# KiCad board RP2040-Breadstick Panel.kicad_pcb (continued)
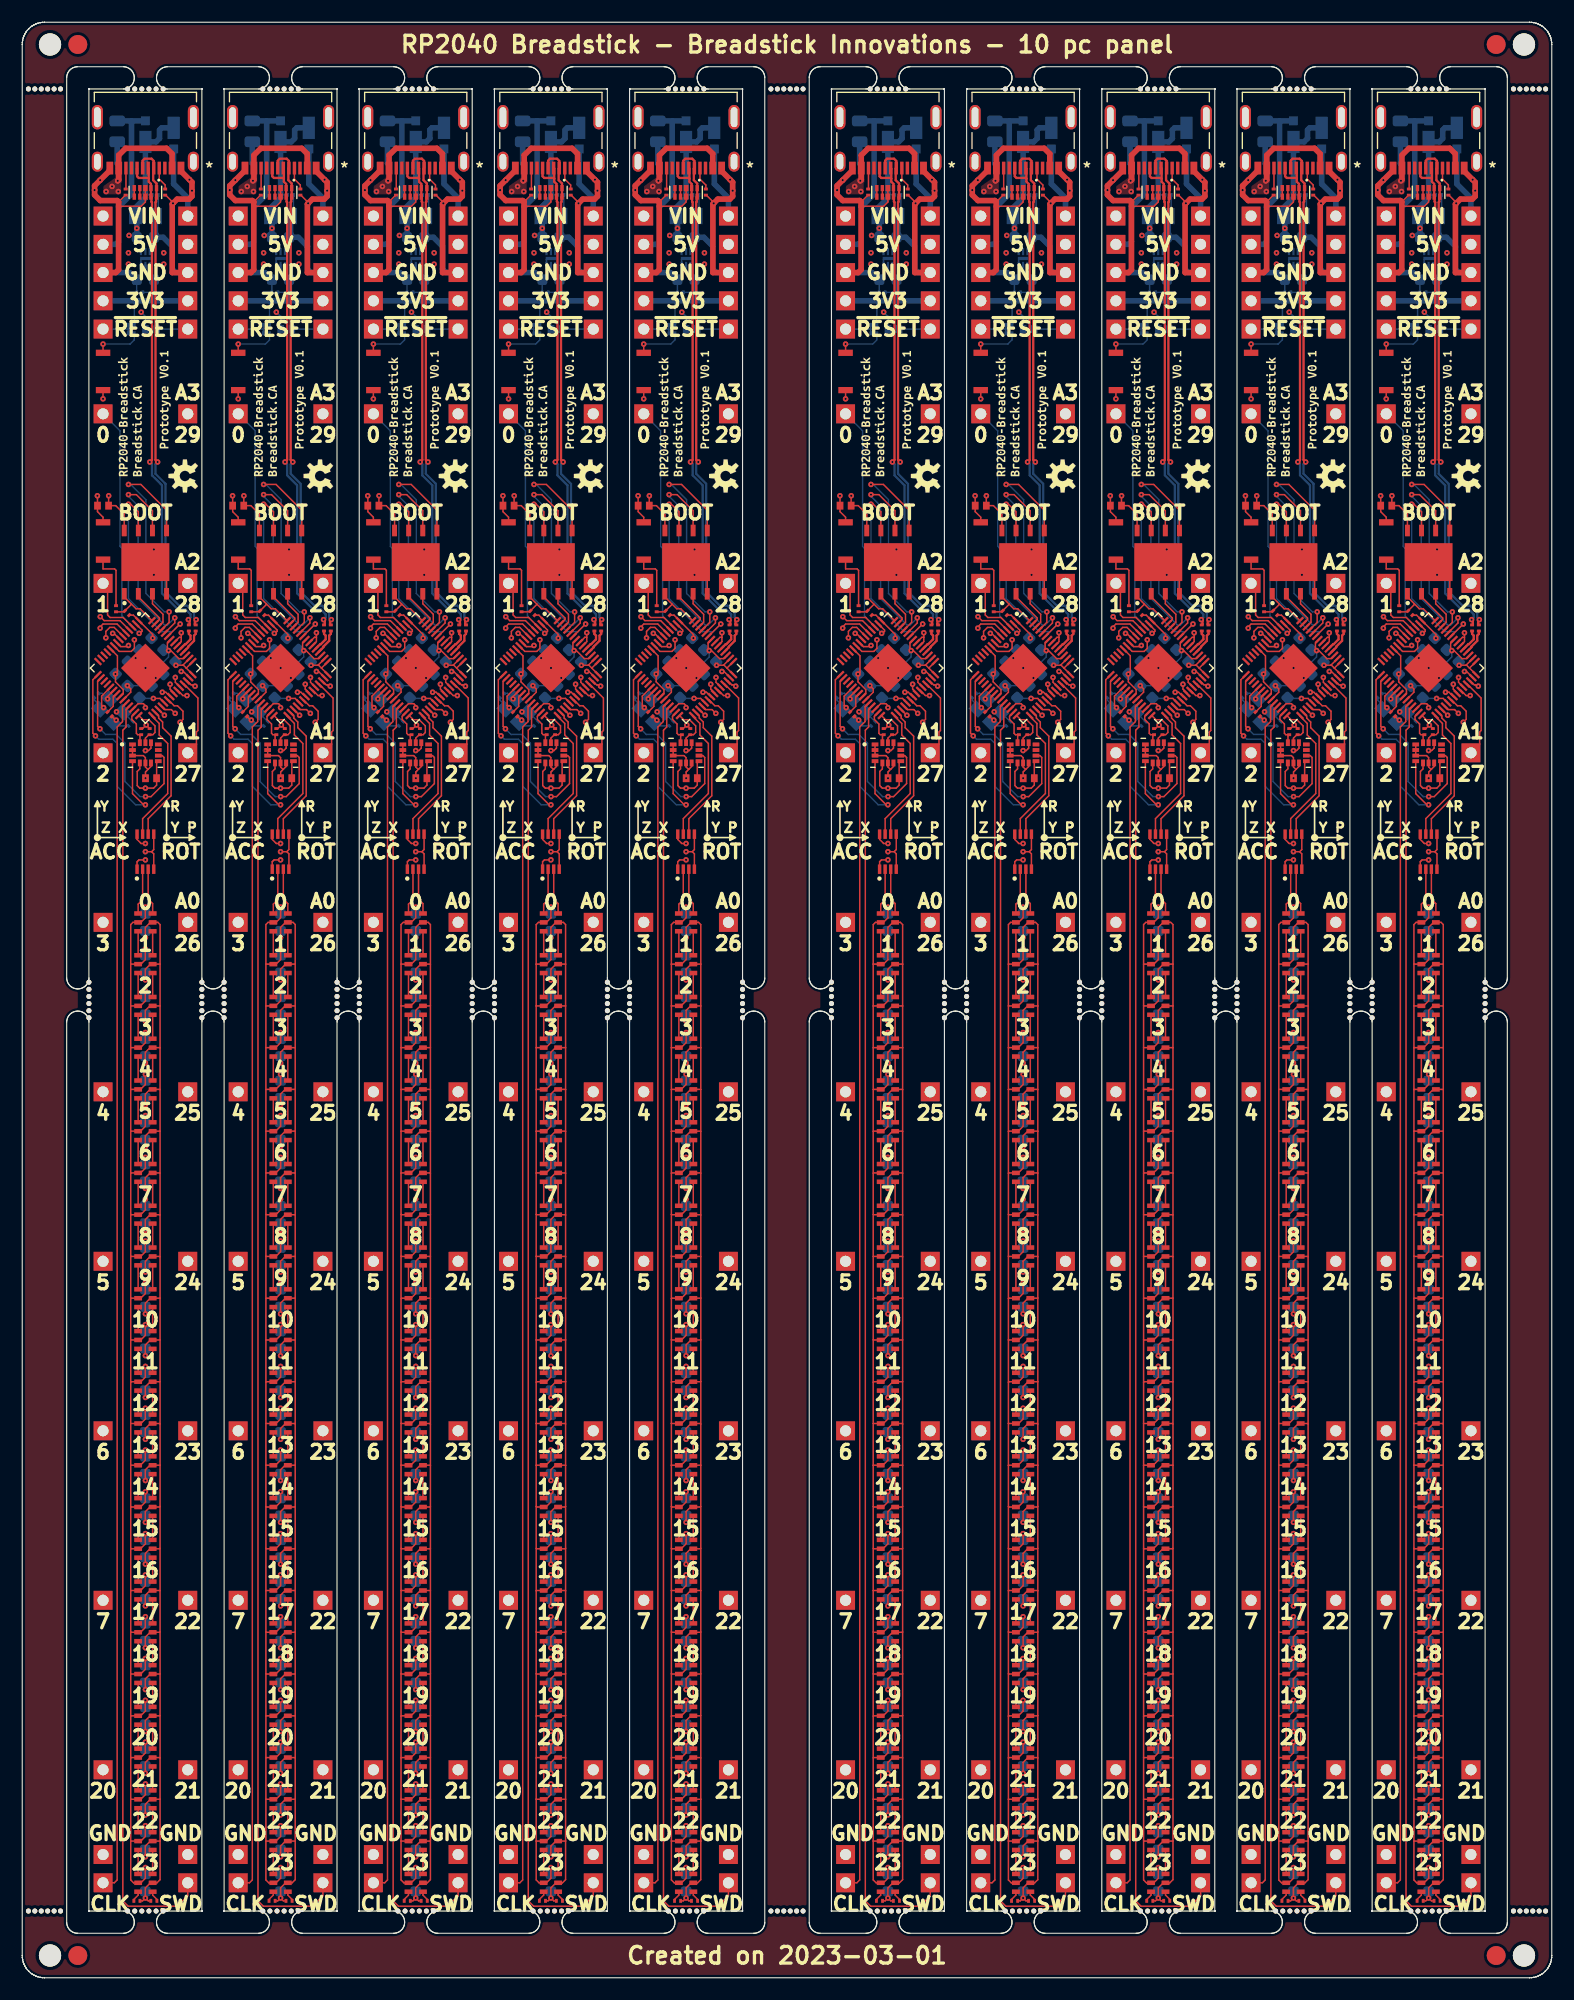
[diagram p0: board, top side]
## Library data of the parts (continued)
SW201#7 = -: Digikey: 2508-R-667995DKR-ND; Field6: 0.022in/0.559mm; Field7: 0in/0mm; Field8: 0.132in/3.353mm; Field9: Copyright 2021 Accelerated Designs. All rights reserved.; Field10: 0.051in/1.295mm; Field11: *
SW201#8 = -: Digikey: 2508-R-667995DKR-ND; Field6: 0in/0mm; Field7: 0.132in/3.353mm; Field8: 0.051in/1.295mm; Field9: 0.022in/0.559mm; Field10: Copyright 2021 Accelerated Designs. All rights reserved.; Field11: *
SW201#9 = -: Digikey: 2508-R-667995DKR-ND; Field6: Copyright 2021 Accelerated Designs. All rights reserved.; Field7: 0in/0mm; Field8: 0.132in/3.353mm; Field9: 0.022in/0.559mm; Field10: 0.051in/1.295mm; Field11: *
SW201#10 = -: Digikey: 2508-R-667995DKR-ND; Field6: 0.022in/0.559mm; Field7: 0.051in/1.295mm; Field8: 0in/0mm; Field9: Copyright 2021 Accelerated Designs. All rights reserved.; Field10: 0.132in/3.353mm; Field11: *
SW202 SW202#2-SW202#10 = -: Digikey: 2508-R-667995DKR-ND
U201 U201#2-U201#10 = -: Digikey: 2648-SC0914(7)TR-ND; JLCPCB P/N: C2040; MANUFACTURER: Raspberry Pi; MAXIMUM_PACKAGE_HEIGHT: 0.9 mm; PARTREV: 1.6.1; STANDARD: IPC 7351B
U202 U202#2-U202#10 = -: Digikey: 296-35765-6-ND; JLCPCB P/N: C138714; MANUFACTURER: Texas Instruments; STANDARD: Manufacturer Recommendation
U203 U203#2-U203#10 = -: Digikey: W25Q128JVPIQDKR-ND
U401 U401#2-U401#10 = -: Digikey: 497-16696-6-ND; MANUFACTURER: STMicroelectronics; MAXIMUM_PACKAGE_HEIGHT: 0.86 mm; PARTREV: Rev 7; STANDARD: IPC 7351B
U501 U501#2-U501#10 = -: A_MAX: 0.6; B_MAX: 0.23; B_MIN: 0.13; B_NOM: 0.18; D2_NOM: 0.94; D_MAX: 1.25; D_MIN: 1.15; D_NOM: 1.2; Digikey: 576-4766-6-ND; E2_NOM: 0.3; ENOM: 0.4; E_MAX: 1.25; E_MIN: 1.15; E_NOM: 1.2; L_MAX: 0.295; L_MIN: 0.195; L_NOM: 0.25; MANUFACTURER: MICROCHIP; PIN_COUNT: 6.0; SNAPEDA_PACKAGE_ID: 7814; STANDARD: IPC 7351B
Y201 Y201#2-Y201#10 = -: Digikey: XC2180DKR-ND

## Footprints (pads in the part's own frame, mm; a bottom-side part is the same pattern mirrored in y, then rotated)
74AXP2T45DCH
  rect 0.85x0.3 smd: 1(-1.575,0.75) 2(-1.575,0.25) 3(-1.575,-0.25) 4(-1.575,-0.75) 5(1.575,-0.75) 6(1.575,-0.25) 7(1.575,0.25) 8(1.575,0.75)
C_0603_1608Metric
  rrect 0.9x0.95 smd: 1(-0.775,0) 2(0.775,0)
CAPC2012X140N
  rect 1.15x1.45 smd: 1(-0.9,0) 2(0.9,0)
DIO_V2PM15HM3_H
  rect 2x1.1 smd: 1(-0.95,0)
  rect 0.8x0.8 smd: 2(0.95,0)
Fiducial
  round 1.7 smd: (0,0)
Fuse_0805_2012Metric
  rrect 0.975x1.4 smd: 1(-0.938,0) 2(0.938,0)
NPTH
  round 0.45 hole 0.45 unplated: (0,0)
NPTH#2
  round 2 hole 2 unplated: (0,0)
Perfect_0201_Cap
  rect 0.35x0.25 smd: 1(0,0.275) 2(0,-0.275)
Perfect_0201_Resistor
  rect 0.35x0.25 smd: 1(0,0.275) 2(0,-0.275)
Perfect_0402_Cap
  rect 0.7x0.6 smd: 1(0,-0.5) 2(0,0.5)
PinHeader_1x01_P2.54mm_Vertical
  rect 1.7x1.7 hole 1: 1(0,0)
PQFN50P300X250X86-14N
  rect 0.6x0.35 smd: 1(-1.16,0.75) 2(-1.16,0.25) 3(-1.16,-0.25) 4(-1.16,-0.75) 8(1.16,-0.75) 9(1.16,-0.25) 10(1.16,0.25) 11(1.16,0.75)
  rect 0.35x0.6 smd: 5(-0.5,-0.91) 6(0,-0.91) 7(0.5,-0.91) 12(0.5,0.91) 13(0,0.91) 14(-0.5,0.91)
QFN40P700X700X90-57N
  rrect 0.84x0.2 smd: 1(-3.435,2.6) 2(-3.435,2.2) 3(-3.435,1.8) 4(-3.435,1.4) 5(-3.435,1) 6(-3.435,0.6) 7(-3.435,0.2) 8(-3.435,-0.2) 9(-3.435,-0.6) 10(-3.435,-1) 11(-3.435,-1.4) 12(-3.435,-1.8) 13(-3.435,-2.2) 14(-3.435,-2.6) 29(3.435,-2.6) 30(3.435,-2.2) 31(3.435,-1.8) 32(3.435,-1.4) 33(3.435,-1) 34(3.435,-0.6) 35(3.435,-0.2) 36(3.435,0.2) 37(3.435,0.6) 38(3.435,1) 39(3.435,1.4) 40(3.435,1.8) 41(3.435,2.2) 42(3.435,2.6)
  rrect 0.2x0.84 smd: 15(-2.6,-3.435) 16(-2.2,-3.435) 17(-1.8,-3.435) 18(-1.4,-3.435) 19(-1,-3.435) 20(-0.6,-3.435) 21(-0.2,-3.435) 22(0.2,-3.435) 23(0.6,-3.435) 24(1,-3.435) 25(1.4,-3.435) 26(1.8,-3.435) 27(2.2,-3.435) 28(2.6,-3.435) 43(2.6,3.435) 44(2.2,3.435) 45(1.8,3.435) 46(1.4,3.435) 47(1,3.435) 48(0.6,3.435) 49(0.2,3.435) 50(-0.2,3.435) 51(-0.6,3.435) 52(-1,3.435) 53(-1.4,3.435) 54(-1.8,3.435) 55(-2.2,3.435) 56(-2.6,3.435)
  rect 3.1x3.1 smd: 57(0,0)
R-667995
  rect 0.559x1.295 smd: 1(-1.676,0) 2(1.676,0)
SK9822-2020
  rect 0.7x0.4 smd: 1(0,0) 2(0,-0.8) 3(0,-1.6) 4(1.3,-1.6) 5(1.3,-0.8) 6(1.3,0)
SON40P120X120X60-7N
  rrect 0.65x0.2 smd: 1(-0.625,0.4) 2(-0.625,0) 3(-0.625,-0.4) 4(0.625,-0.4) 5(0.625,0) 6(0.625,0.4)
  rect 0.3x0.94 smd: 7(0,0)
TI_TPD4E05U06DQAR
  rect 0.55x0.3 smd: 1(-0.385,1) 2(-0.385,0.5) 4(-0.385,-0.5) 5(-0.385,-1) 6(0.385,-1) 7(0.385,-0.5) 9(0.385,0.5) 10(0.385,1)
  rect 0.55x0.4 smd: 3(-0.385,0) 8(0.385,0)
USB-C-2171790001
  oval 1x2.2 hole 0.6x1.8: 13(-4.32,-1.272) 14(4.32,-1.272)
  oval 1x1.8 hole 0.6x1.4: 15(-4.32,2.728) 16(4.32,2.728)
  rect 0.61x1.143 smd: A1/B12(-3.2,3.303) A4/B9(-2.4,3.303) B1/A12(3.2,3.303) B4/A9(2.4,3.303)
  rect 0.305x1.143 smd: A5(-1.25,3.303) A6(-0.25,3.303) A7(0.25,3.303) A8(1.25,3.303) B5(1.75,3.303) B6(0.75,3.303) B7(-0.75,3.303) B8(-1.75,3.303)
W25Q128JVPIQ-TR
  rrect 1.04x0.44 smd: 1(-2.845,1.905) 2(-2.845,0.635) 3(-2.845,-0.635) 4(-2.845,-1.905) 5(2.845,-1.905) 6(2.845,-0.635) 7(2.845,0.635) 8(2.845,1.905)
  rect 3.4x4.3 smd: 9(0,0)
XTAL_ECS-120-10-36Q-ES-TR
  rect 1.2x1 smd: 1(-0.85,-0.65) 2(0.85,-0.65) 3(0.85,0.65) 4(-0.85,0.65)

## Nets
Board_0-/Power/5V4A: D502#6.2 F501#6.2 J503#9.1 J504#7.1
Board_1-/Power/5V4A: D502#2.2 F501#10.2 J503#5.1 J504#5.1
Board_2-/Power/5V4A: D502#10.2 F501#5.2 J503#6.1 J504#10.1
Board_3-/Power/5V4A: D502#8.2 F501.2 J503#3.1 J504#4.1
Board_4-/Power/5V4A: D502#5.2 F501#8.2 J503#10.1 J504#8.1
Board_5-/Power/5V4A: D502#7.2 F501#3.2 J503#2.1 J504#3.1
Board_6-/Power/5V4A: D502.2 F501#4.2 J503#7.1 J504#6.1
Board_7-/Power/5V4A: D502#9.2 F501#9.2 J503.1 J504#9.1
Board_8-/Power/5V4A: D502#4.2 F501#2.2 J503#4.1 J504#2.1
Board_9-/Power/5V4A: D502#3.2 F501#7.2 J503#8.1 J504.1
Board_0-3V3_LDO: C205.1 C206#5.1 C210#9.1 C211#9.1 C216#2.1 C401#2.1 C503#2.1 IC301#3.8 J507#5.1 J508#9.1 R205#3.1 R208#2.1 R209#9.2 R210.2 R502#2.2 U201.1 U201.10 U201.22 U201.33 U201.42 U201.43 U201.44 U201.48 U201.49 U203#7.8 U401#8.5 U401#8.8 U401#8.12 U501#3.1 U501#3.2
Board_0-+1V1: C202#9.1 C204#5.1 U201.23 U201.45 U201.50
Board_0-/Addressable RGB LEDs/CLK: IC301#3.2 LED301#3.4
Board_0-/Addressable RGB LEDs/DATA: IC301#3.3 LED301#3.3
Board_0-/RP2040/ADC0: J220#10.1 U201.38
Board_0-/RP2040/ADC1: J219.1 U201.39
Board_0-/RP2040/ADC2: J218#6.1 U201.40
Board_0-/RP2040/ADC3: J217#9.1 U201.41
Board_0-/RP2040/D0: J205#9.1 U201.2
Board_0-/RP2040/D1: J206#3.1 U201.3
Board_0-/RP2040/D2: J207#4.1 U201.4
Board_0-/RP2040/D3: J208#6.1 U201.5
Board_0-/RP2040/D4: J209#3.1 U201.6
Board_0-/RP2040/D5: J210#3.1 U201.7
Board_0-/RP2040/D6: J211.1 U201.8
Board_0-/RP2040/D7: J212#3.1 U201.9
Board_0-/RP2040/D20: J204.1 U201.31
Board_0-/RP2040/D21: J203#3.1 U201.32
Board_0-/RP2040/D22: J213#8.1 U201.34
Board_0-/RP2040/D23: J214#3.1 U201.35
Board_0-/RP2040/D24: J215#3.1 U201.36
Board_0-/RP2040/D25: J202#6.1 U201.37
Board_0-/RP2040/MCU_QSPI_CSN: R204#7.2 R205#3.2 U201.56 U203#7.1
Board_0-/RP2040/MCU_QSPI_SCLK: U201.52 U203#7.6
Board_0-/RP2040/MCU_QSPI_SD0: U201.53 U203#7.5
Board_0-/RP2040/MCU_QSPI_SD1: U201.55 U203#7.2
Board_0-/RP2040/MCU_QSPI_SD2: U201.54 U203#7.3
Board_0-/RP2040/MCU_QSPI_SD3: U201.51 U203#7.7
Board_0-/RP2040/MCU_USB_D+: R203#4.1 U201.47
Board_0-/RP2040/MCU_USB_D-: R202#6.1 U201.46
Board_0-/RP2040/USB_D+: J221#7.A6 J221#7.B6 R203#4.2 U202#2.2 U202#2.9
Board_0-/RP2040/USB_D-: J221#7.A7 J221#7.B7 R202#6.2 U202#2.1 U202#2.10
Board_0-/RP2040/~{RESET}: C207#2.1 J201#10.1 J222#8.1 R208#2.2 R211#7.2 U201.26
Board_0-GND: C201.2 C202#9.2 C203#10.2 C204#5.2 C205.2 C206#5.2 C207#2.2 C210#9.2 C211#9.2 C216#2.2 C303#10.2 C304#2.2 C305#10.2 C306#8.2 C307#9.2 C308#10.2 C309#2.2 C310#2.2 C311#6.2 C312#4.2 C313#8.2 C314#9.2 C315.2 C316#8.2 C317#7.2 C318#6.2 C319#7.2 C320#4.2 C321#9.2 C322#4.2 C323#9.2 C324#4.2 C325#7.2 C326#8.2 C401#2.2 C501#9.2 C502#7.2 C503#2.2 IC301#3.4 IC301#3.5 J221#7.A1/B12 J221#7.B1/A12 J505#9.1 J506#6.1 J509.1 J510#9.1 LED301#3.2 LED302#9.2 LED303#10.2 LED304#7.2 LED305#9.2 LED306#5.2 LED307#6.2 LED308#4.2 LED309#6.2 LED310.2 LED311#6.2 LED312#7.2 LED313#5.2 LED314#5.2 LED315#10.2 LED316.2 LED317#7.2 LED318#5.2 LED319#5.2 LED320#6.2 LED321#10.2 LED322#9.2 LED323#3.2 LED324.2 R206#7.2 R207#7.2 R304#3.2 R305#4.2 R501#8.1 R502#2.1 SW201#4.1 SW202#10.1 U201.19 U201.57 U202#2.3 U202#2.8 U203#7.4 U203#7.9 U401#8.1 U401#8.2 U401#8.3 U401#8.6 U401#8.7 U501#3.3 U501#3.7 Y201#5.2 Y201#5.4
Board_0-IMU_INT1: U201.15 U401#8.4
Board_0-IMU_INT2: U201.16 U401#8.9
Board_0-IMU_SCL: R210.1 U201.28 U401#8.13
Board_0-IMU_SDA: R209#9.1 U201.27 U401#8.14
Board_0-LED_CLK: IC301#3.7 U201.29
Board_0-LED_DATA: IC301#3.6 U201.30
Board_0-Net-(C201-Pad1): C201.1 U201.20 Y201#5.1
Board_0-Net-(C203-Pad1): C203#10.1 R201#5.1 Y201#5.3
Board_0-Net-(J221-PadA5): J221#7.A5 R207#7.1
Board_0-Net-(J221-PadB5): J221#7.B5 R206#7.1
Board_0-Net-(LED301-Pad1): LED301#3.1 LED302#9.3
Board_0-Net-(LED301-Pad6): LED301#3.6 LED302#9.4
Board_0-Net-(LED302-Pad1): LED302#9.1 LED303#10.3
Board_0-Net-(LED302-Pad6): LED302#9.6 LED303#10.4
Board_0-Net-(LED303-Pad1): LED303#10.1 LED304#7.3
Board_0-Net-(LED303-Pad6): LED303#10.6 LED304#7.4
Board_0-Net-(LED304-Pad1): LED304#7.1 LED305#9.3
Board_0-Net-(LED304-Pad6): LED304#7.6 LED305#9.4
Board_0-Net-(LED305-Pad1): LED305#9.1 LED306#5.3
Board_0-Net-(LED305-Pad6): LED305#9.6 LED306#5.4
Board_0-Net-(LED306-Pad1): LED306#5.1 LED307#6.3
Board_0-Net-(LED306-Pad6): LED306#5.6 LED307#6.4
Board_0-Net-(LED307-Pad1): LED307#6.1 LED308#4.3
Board_0-Net-(LED307-Pad6): LED307#6.6 LED308#4.4
Board_0-Net-(LED308-Pad1): LED308#4.1 LED309#6.3
Board_0-Net-(LED308-Pad6): LED308#4.6 LED309#6.4
Board_0-Net-(LED309-Pad1): LED309#6.1 LED310.3
Board_0-Net-(LED309-Pad6): LED309#6.6 LED310.4
Board_0-Net-(LED310-Pad1): LED310.1 LED311#6.3
Board_0-Net-(LED310-Pad6): LED310.6 LED311#6.4
Board_0-Net-(LED311-Pad1): LED311#6.1 LED312#7.3
Board_0-Net-(LED311-Pad6): LED311#6.6 LED312#7.4
Board_0-Net-(LED312-Pad1): LED312#7.1 LED313#5.3
Board_0-Net-(LED312-Pad6): LED312#7.6 LED313#5.4
Board_0-Net-(LED313-Pad1): LED313#5.1 LED314#5.3
Board_0-Net-(LED313-Pad6): LED313#5.6 LED314#5.4
Board_0-Net-(LED314-Pad1): LED314#5.1 LED315#10.3
Board_0-Net-(LED314-Pad6): LED314#5.6 LED315#10.4
Board_0-Net-(LED315-Pad1): LED315#10.1 LED316.3
Board_0-Net-(LED315-Pad6): LED315#10.6 LED316.4
Board_0-Net-(LED316-Pad1): LED316.1 LED317#7.3
Board_0-Net-(LED316-Pad6): LED316.6 LED317#7.4
Board_0-Net-(LED317-Pad1): LED317#7.1 LED318#5.3
Board_0-Net-(LED317-Pad6): LED317#7.6 LED318#5.4
Board_0-Net-(LED318-Pad1): LED318#5.1 LED319#5.3
Board_0-Net-(LED318-Pad6): LED318#5.6 LED319#5.4
Board_0-Net-(LED319-Pad1): LED319#5.1 LED320#6.3
Board_0-Net-(LED319-Pad6): LED319#5.6 LED320#6.4
Board_0-Net-(LED320-Pad1): LED320#6.1 LED321#10.3
Board_0-Net-(LED320-Pad6): LED320#6.6 LED321#10.4
Board_0-Net-(LED321-Pad1): LED321#10.1 LED322#9.3
Board_0-Net-(LED321-Pad6): LED321#10.6 LED322#9.4
Board_0-Net-(LED322-Pad1): LED322#9.1 LED323#3.3
Board_0-Net-(LED322-Pad6): LED322#9.6 LED323#3.4
Board_0-Net-(LED323-Pad1): LED323#3.1 LED324.3
Board_0-Net-(LED323-Pad6): LED323#3.6 LED324.4
Board_0-Net-(LED324-Pad1): LED324.1 R305#4.1
Board_0-Net-(LED324-Pad6): LED324.6 R304#3.1
Board_0-Net-(R201-Pad2): R201#5.2 U201.21
Board_0-Net-(R204-Pad1): R204#7.1 SW201#4.2
Board_0-Net-(R211-Pad1): R211#7.1 SW202#10.2
Board_0-Net-(U202-Pad4): U202#2.4 U202#2.7
Board_0-Net-(U202-Pad5): U202#2.5 U202#2.6
Board_0-SWCLK: J223#10.1 U201.24
Board_0-SWD: J224#3.1 U201.25
Board_0-unconnected-(J221-PadA8): J221#7.A8
Board_0-unconnected-(J221-PadB8): J221#7.B8
Board_0-unconnected-(U201-Pad11): U201.11
Board_0-unconnected-(U201-Pad12): U201.12
Board_0-unconnected-(U201-Pad13): U201.13
Board_0-unconnected-(U201-Pad14): U201.14
Board_0-unconnected-(U201-Pad17): U201.17
Board_0-unconnected-(U201-Pad18): U201.18
Board_0-unconnected-(U401-Pad10): U401#8.10
Board_0-unconnected-(U401-Pad11): U401#8.11
Board_0-VBUS: F501#6.1 J221#7.A4/B9 J221#7.B4/A9
Board_0-VHI: C303#10.1 C304#2.1 C305#10.1 C306#8.1 C307#9.1 C308#10.1 C309#2.1 C310#2.1 C311#6.1 C312#4.1 C313#8.1 C314#9.1 C315.1 C316#8.1 C317#7.1 C318#6.1 C319#7.1 C320#4.1 C321#9.1 C322#4.1 C323#9.1 C324#4.1 C325#7.1 C326#8.1 C501#9.1 C502#7.1 D501#5.1 D502#6.1 IC301#3.1 LED301#3.5 LED302#9.5 LED303#10.5 LED304#7.5 LED305#9.5 LED306#5.5 LED307#6.5 LED308#4.5 LED309#6.5 LED310.5 LED311#6.5 LED312#7.5 LED313#5.5 LED314#5.5 LED315#10.5 LED316.5 LED317#7.5 LED318#5.5 LED319#5.5 LED320#6.5 LED321#10.5 LED322#9.5 LED323#3.5 LED324.5 R501#8.2 U501#3.4 U501#3.5 U501#3.6
Board_0-VIN: D501#5.2 J501#2.1 J502.1
Board_1-3V3_LDO: C205#6.1 C206#9.1 C210#10.1 C211.1 C216#6.1 C401#6.1 C503#8.1 IC301#7.8 J507#4.1 J508#10.1 R205#10.1 R208#6.1 R209#6.2 R210#5.2 R502#3.2 U201#9.1 U201#9.10 U201#9.22 U201#9.33 U201#9.42 U201#9.43 U201#9.44 U201#9.48 U201#9.49 U203#3.8 U401#2.5 U401#2.8 U401#2.12 U501#6.1 U501#6.2
Board_1-+1V1: C202#3.1 C204#3.1 U201#9.23 U201#9.45 U201#9.50
Board_1-/Addressable RGB LEDs/CLK: IC301#7.2 LED301#5.4
Board_1-/Addressable RGB LEDs/DATA: IC301#7.3 LED301#5.3
Board_1-/RP2040/ADC0: J220#4.1 U201#9.38
Board_1-/RP2040/ADC1: J219#2.1 U201#9.39
Board_1-/RP2040/ADC2: J218#5.1 U201#9.40
Board_1-/RP2040/ADC3: J217#4.1 U201#9.41
Board_1-/RP2040/D0: J205#3.1 U201#9.2
Board_1-/RP2040/D1: J206.1 U201#9.3
Board_1-/RP2040/D2: J207#5.1 U201#9.4
Board_1-/RP2040/D3: J208#3.1 U201#9.5
Board_1-/RP2040/D4: J209#6.1 U201#9.6
Board_1-/RP2040/D5: J210#7.1 U201#9.7
Board_1-/RP2040/D6: J211#7.1 U201#9.8
Board_1-/RP2040/D7: J212#5.1 U201#9.9
Board_1-/RP2040/D20: J204#2.1 U201#9.31
Board_1-/RP2040/D21: J203.1 U201#9.32
Board_1-/RP2040/D22: J213#9.1 U201#9.34
Board_1-/RP2040/D23: J214#5.1 U201#9.35
Board_1-/RP2040/D24: J215#8.1 U201#9.36
Board_1-/RP2040/D25: J202#8.1 U201#9.37
Board_1-/RP2040/MCU_QSPI_CSN: R204#3.2 R205#10.2 U201#9.56 U203#3.1
Board_1-/RP2040/MCU_QSPI_SCLK: U201#9.52 U203#3.6
Board_1-/RP2040/MCU_QSPI_SD0: U201#9.53 U203#3.5
Board_1-/RP2040/MCU_QSPI_SD1: U201#9.55 U203#3.2
Board_1-/RP2040/MCU_QSPI_SD2: U201#9.54 U203#3.3
Board_1-/RP2040/MCU_QSPI_SD3: U201#9.51 U203#3.7
Board_1-/RP2040/MCU_USB_D+: R203#10.1 U201#9.47
Board_1-/RP2040/MCU_USB_D-: R202#10.1 U201#9.46
Board_1-/RP2040/USB_D+: J221#5.A6 J221#5.B6 R203#10.2 U202#5.2 U202#5.9
Board_1-/RP2040/USB_D-: J221#5.A7 J221#5.B7 R202#10.2 U202#5.1 U202#5.10
Board_1-/RP2040/~{RESET}: C207#8.1 J201.1 J222#2.1 R208#6.2 R211#3.2 U201#9.26
Board_1-GND: C201#4.2 C202#3.2 C203#4.2 C204#3.2 C205#6.2 C206#9.2 C207#8.2 C210#10.2 C211.2 C216#6.2 C303#2.2 C304#8.2 C305#9.2 C306#2.2 C307#7.2 C308#5.2 C309#6.2 C310.2 C311#10.2 C312#8.2 C313.2 C314#6.2 C315#2.2 C316#9.2 C317#4.2 C318#3.2 C319#5.2 C320#6.2 C321#10.2 C322#5.2 C323#8.2 C324#6.2 C325#5.2 C326#3.2 C401#6.2 C501#3.2 C502#4.2 C503#8.2 IC301#7.4 IC301#7.5 J221#5.A1/B12 J221#5.B1/A12 J505#5.1 J506#10.1 J509#4.1 J510.1 LED301#5.2 LED302#4.2 LED303.2 LED304#10.2 LED305.2 LED306#9.2 LED307#5.2 LED308#10.2 LED309#7.2 LED310#7.2 LED311#2.2 LED312#9.2 LED313#7.2 LED314#9.2 LED315.2 LED316#10.2 LED317.2 LED318#8.2 LED319#4.2 LED320#8.2 LED321#8.2 LED322#3.2 LED323#5.2 LED324#5.2 R206#2.2 R207#8.2 R304#9.2 R305#7.2 R501#10.1 R502#3.1 SW201#6.1 SW202#5.1 U201#9.19 U201#9.57 U202#5.3 U202#5.8 U203#3.4 U203#3.9 U401#2.1 U401#2.2 U401#2.3 U401#2.6 U401#2.7 U501#6.3 U501#6.7 Y201#3.2 Y201#3.4
Board_1-IMU_INT1: U201#9.15 U401#2.4
Board_1-IMU_INT2: U201#9.16 U401#2.9
Board_1-IMU_SCL: R210#5.1 U201#9.28 U401#2.13
Board_1-IMU_SDA: R209#6.1 U201#9.27 U401#2.14
Board_1-LED_CLK: IC301#7.7 U201#9.29
Board_1-LED_DATA: IC301#7.6 U201#9.30
Board_1-Net-(C201-Pad1): C201#4.1 U201#9.20 Y201#3.1
Board_1-Net-(C203-Pad1): C203#4.1 R201#2.1 Y201#3.3
Board_1-Net-(J221-PadA5): J221#5.A5 R207#8.1
Board_1-Net-(J221-PadB5): J221#5.B5 R206#2.1
Board_1-Net-(LED301-Pad1): LED301#5.1 LED302#4.3
Board_1-Net-(LED301-Pad6): LED301#5.6 LED302#4.4
Board_1-Net-(LED302-Pad1): LED302#4.1 LED303.3
Board_1-Net-(LED302-Pad6): LED302#4.6 LED303.4
Board_1-Net-(LED303-Pad1): LED303.1 LED304#10.3
Board_1-Net-(LED303-Pad6): LED303.6 LED304#10.4
Board_1-Net-(LED304-Pad1): LED304#10.1 LED305.3
Board_1-Net-(LED304-Pad6): LED304#10.6 LED305.4
Board_1-Net-(LED305-Pad1): LED305.1 LED306#9.3
Board_1-Net-(LED305-Pad6): LED305.6 LED306#9.4
Board_1-Net-(LED306-Pad1): LED306#9.1 LED307#5.3
Board_1-Net-(LED306-Pad6): LED306#9.6 LED307#5.4
Board_1-Net-(LED307-Pad1): LED307#5.1 LED308#10.3
Board_1-Net-(LED307-Pad6): LED307#5.6 LED308#10.4
Board_1-Net-(LED308-Pad1): LED308#10.1 LED309#7.3
Board_1-Net-(LED308-Pad6): LED308#10.6 LED309#7.4
Board_1-Net-(LED309-Pad1): LED309#7.1 LED310#7.3
Board_1-Net-(LED309-Pad6): LED309#7.6 LED310#7.4
Board_1-Net-(LED310-Pad1): LED310#7.1 LED311#2.3
Board_1-Net-(LED310-Pad6): LED310#7.6 LED311#2.4
Board_1-Net-(LED311-Pad1): LED311#2.1 LED312#9.3
Board_1-Net-(LED311-Pad6): LED311#2.6 LED312#9.4
Board_1-Net-(LED312-Pad1): LED312#9.1 LED313#7.3
Board_1-Net-(LED312-Pad6): LED312#9.6 LED313#7.4
Board_1-Net-(LED313-Pad1): LED313#7.1 LED314#9.3
Board_1-Net-(LED313-Pad6): LED313#7.6 LED314#9.4
Board_1-Net-(LED314-Pad1): LED314#9.1 LED315.3
Board_1-Net-(LED314-Pad6): LED314#9.6 LED315.4
Board_1-Net-(LED315-Pad1): LED315.1 LED316#10.3
Board_1-Net-(LED315-Pad6): LED315.6 LED316#10.4
Board_1-Net-(LED316-Pad1): LED316#10.1 LED317.3
Board_1-Net-(LED316-Pad6): LED316#10.6 LED317.4
Board_1-Net-(LED317-Pad1): LED317.1 LED318#8.3
Board_1-Net-(LED317-Pad6): LED317.6 LED318#8.4
Board_1-Net-(LED318-Pad1): LED318#8.1 LED319#4.3
Board_1-Net-(LED318-Pad6): LED318#8.6 LED319#4.4
Board_1-Net-(LED319-Pad1): LED319#4.1 LED320#8.3
Board_1-Net-(LED319-Pad6): LED319#4.6 LED320#8.4
Board_1-Net-(LED320-Pad1): LED320#8.1 LED321#8.3
Board_1-Net-(LED320-Pad6): LED320#8.6 LED321#8.4
Board_1-Net-(LED321-Pad1): LED321#8.1 LED322#3.3
Board_1-Net-(LED321-Pad6): LED321#8.6 LED322#3.4
Board_1-Net-(LED322-Pad1): LED322#3.1 LED323#5.3
Board_1-Net-(LED322-Pad6): LED322#3.6 LED323#5.4
Board_1-Net-(LED323-Pad1): LED323#5.1 LED324#5.3
Board_1-Net-(LED323-Pad6): LED323#5.6 LED324#5.4
Board_1-Net-(LED324-Pad1): LED324#5.1 R305#7.1
Board_1-Net-(LED324-Pad6): LED324#5.6 R304#9.1
Board_1-Net-(R201-Pad2): R201#2.2 U201#9.21
Board_1-Net-(R204-Pad1): R204#3.1 SW201#6.2
Board_1-Net-(R211-Pad1): R211#3.1 SW202#5.2
Board_1-Net-(U202-Pad4): U202#5.4 U202#5.7
Board_1-Net-(U202-Pad5): U202#5.5 U202#5.6
Board_1-SWCLK: J223#2.1 U201#9.24
Board_1-SWD: J224#2.1 U201#9.25
Board_1-unconnected-(J221-PadA8): J221#5.A8
Board_1-unconnected-(J221-PadB8): J221#5.B8
Board_1-unconnected-(U201-Pad11): U201#9.11
Board_1-unconnected-(U201-Pad12): U201#9.12
Board_1-unconnected-(U201-Pad13): U201#9.13
Board_1-unconnected-(U201-Pad14): U201#9.14
Board_1-unconnected-(U201-Pad17): U201#9.17
Board_1-unconnected-(U201-Pad18): U201#9.18
Board_1-unconnected-(U401-Pad10): U401#2.10
Board_1-unconnected-(U401-Pad11): U401#2.11
Board_1-VBUS: F501#10.1 J221#5.A4/B9 J221#5.B4/A9
Board_1-VHI: C303#2.1 C304#8.1 C305#9.1 C306#2.1 C307#7.1 C308#5.1 C309#6.1 C310.1 C311#10.1 C312#8.1 C313.1 C314#6.1 C315#2.1 C316#9.1 C317#4.1 C318#3.1 C319#5.1 C320#6.1 C321#10.1 C322#5.1 C323#8.1 C324#6.1 C325#5.1 C326#3.1 C501#3.1 C502#4.1 D501#4.1 D502#2.1 IC301#7.1 LED301#5.5 LED302#4.5 LED303.5 LED304#10.5 LED305.5 LED306#9.5 LED307#5.5 LED308#10.5 LED309#7.5 LED310#7.5 LED311#2.5 LED312#9.5 LED313#7.5 LED314#9.5 LED315.5 LED316#10.5 LED317.5 LED318#8.5 LED319#4.5 LED320#8.5 LED321#8.5 LED322#3.5 LED323#5.5 LED324#5.5 R501#10.2 U501#6.4 U501#6.5 U501#6.6
Board_1-VIN: D501#4.2 J501.1 J502#3.1
Board_2-3V3_LDO: C205#4.1 C206.1 C210#6.1 C211#5.1 C216#10.1 C401#9.1 C503#5.1 IC301#9.8 J507#10.1 J508#7.1 R205#7.1 R208#7.1 R209#5.2 R210#7.2 R502#9.2 U201#8.1 U201#8.10 U201#8.22 U201#8.33 U201#8.42 U201#8.43 U201#8.44 U201#8.48 U201#8.49 U203#8.8 U401#3.5 U401#3.8 U401#3.12 U501#7.1 U501#7.2
Board_2-+1V1: C202#8.1 C204#6.1 U201#8.23 U201#8.45 U201#8.50
Board_2-/Addressable RGB LEDs/CLK: IC301#9.2 LED301#4.4
Board_2-/Addressable RGB LEDs/DATA: IC301#9.3 LED301#4.3
Board_2-/RP2040/ADC0: J220#5.1 U201#8.38
Board_2-/RP2040/ADC1: J219#6.1 U201#8.39
Board_2-/RP2040/ADC2: J218#4.1 U201#8.40
Board_2-/RP2040/ADC3: J217#3.1 U201#8.41
Board_2-/RP2040/D0: J205#5.1 U201#8.2
Board_2-/RP2040/D1: J206#7.1 U201#8.3
Board_2-/RP2040/D2: J207#3.1 U201#8.4
Board_2-/RP2040/D3: J208#5.1 U201#8.5
Board_2-/RP2040/D4: J209#9.1 U201#8.6
Board_2-/RP2040/D5: J210#2.1 U201#8.7
Board_2-/RP2040/D6: J211#10.1 U201#8.8
Board_2-/RP2040/D7: J212#9.1 U201#8.9
Board_2-/RP2040/D20: J204#9.1 U201#8.31
Board_2-/RP2040/D21: J203#8.1 U201#8.32
Board_2-/RP2040/D22: J213#6.1 U201#8.34
Board_2-/RP2040/D23: J214#6.1 U201#8.35
Board_2-/RP2040/D24: J215#5.1 U201#8.36
Board_2-/RP2040/D25: J202.1 U201#8.37
Board_2-/RP2040/MCU_QSPI_CSN: R204#5.2 R205#7.2 U201#8.56 U203#8.1
Board_2-/RP2040/MCU_QSPI_SCLK: U201#8.52 U203#8.6
Board_2-/RP2040/MCU_QSPI_SD0: U201#8.53 U203#8.5
Board_2-/RP2040/MCU_QSPI_SD1: U201#8.55 U203#8.2
Board_2-/RP2040/MCU_QSPI_SD2: U201#8.54 U203#8.3
Board_2-/RP2040/MCU_QSPI_SD3: U201#8.51 U203#8.7
Board_2-/RP2040/MCU_USB_D+: R203#9.1 U201#8.47
Board_2-/RP2040/MCU_USB_D-: R202#8.1 U201#8.46
Board_2-/RP2040/USB_D+: J221#3.A6 J221#3.B6 R203#9.2 U202#8.2 U202#8.9
Board_2-/RP2040/USB_D-: J221#3.A7 J221#3.B7 R202#8.2 U202#8.1 U202#8.10
Board_2-/RP2040/~{RESET}: C207#6.1 J201#6.1 J222#6.1 R208#7.2 R211.2 U201#8.26
Board_2-GND: C201#7.2 C202#8.2 C203#7.2 C204#6.2 C205#4.2 C206.2 C207#6.2 C210#6.2 C211#5.2 C216#10.2 C303#6.2 C304.2 C305#2.2 C306#9.2 C307#2.2 C308#6.2 C309#9.2 C310#9.2 C311#9.2 C312#9.2 C313#9.2 C314#3.2 C315#7.2 C316#4.2 C317#3.2 C318#7.2 C319#3.2 C320#8.2 C321#7.2 C322#3.2 C323#5.2 C324#3.2 C325#9.2 C326#6.2 C401#9.2 C501#2.2 C502#6.2 C503#5.2 IC301#9.4 IC301#9.5 J221#3.A1/B12 J221#3.B1/A12 J505#3.1 J506#4.1 J509#3.1 J510#8.1 LED301#4.2 LED302#10.2 LED303#2.2 LED304#4.2 LED305#7.2 LED306#8.2 LED307#2.2 LED308.2 LED309#9.2 LED310#9.2 LED311#7.2 LED312#5.2 LED313#8.2 LED314#4.2 LED315#7.2 LED316#3.2 LED317#4.2 LED318#6.2 LED319#2.2 LED320#7.2 LED321#4.2 LED322#6.2 LED323#8.2 LED324#9.2 R206#4.2 R207#9.2 R304#10.2 R305#10.2 R501#9.1 R502#9.1 SW201#5.1 SW202#2.1 U201#8.19 U201#8.57 U202#8.3 U202#8.8 U203#8.4 U203#8.9 U401#3.1 U401#3.2 U401#3.3 U401#3.6 U401#3.7 U501#7.3 U501#7.7 Y201#9.2 Y201#9.4
Board_2-IMU_INT1: U201#8.15 U401#3.4
Board_2-IMU_INT2: U201#8.16 U401#3.9
Board_2-IMU_SCL: R210#7.1 U201#8.28 U401#3.13
Board_2-IMU_SDA: R209#5.1 U201#8.27 U401#3.14
Board_2-LED_CLK: IC301#9.7 U201#8.29
Board_2-LED_DATA: IC301#9.6 U201#8.30
Board_2-Net-(C201-Pad1): C201#7.1 U201#8.20 Y201#9.1
Board_2-Net-(C203-Pad1): C203#7.1 R201#3.1 Y201#9.3
Board_2-Net-(J221-PadA5): J221#3.A5 R207#9.1
Board_2-Net-(J221-PadB5): J221#3.B5 R206#4.1
Board_2-Net-(LED301-Pad1): LED301#4.1 LED302#10.3
Board_2-Net-(LED301-Pad6): LED301#4.6 LED302#10.4
Board_2-Net-(LED302-Pad1): LED302#10.1 LED303#2.3
Board_2-Net-(LED302-Pad6): LED302#10.6 LED303#2.4
Board_2-Net-(LED303-Pad1): LED303#2.1 LED304#4.3
Board_2-Net-(LED303-Pad6): LED303#2.6 LED304#4.4
Board_2-Net-(LED304-Pad1): LED304#4.1 LED305#7.3
Board_2-Net-(LED304-Pad6): LED304#4.6 LED305#7.4
Board_2-Net-(LED305-Pad1): LED305#7.1 LED306#8.3
Board_2-Net-(LED305-Pad6): LED305#7.6 LED306#8.4
Board_2-Net-(LED306-Pad1): LED306#8.1 LED307#2.3
Board_2-Net-(LED306-Pad6): LED306#8.6 LED307#2.4
Board_2-Net-(LED307-Pad1): LED307#2.1 LED308.3
Board_2-Net-(LED307-Pad6): LED307#2.6 LED308.4
Board_2-Net-(LED308-Pad1): LED308.1 LED309#9.3
Board_2-Net-(LED308-Pad6): LED308.6 LED309#9.4
Board_2-Net-(LED309-Pad1): LED309#9.1 LED310#9.3
Board_2-Net-(LED309-Pad6): LED309#9.6 LED310#9.4
Board_2-Net-(LED310-Pad1): LED310#9.1 LED311#7.3
Board_2-Net-(LED310-Pad6): LED310#9.6 LED311#7.4
Board_2-Net-(LED311-Pad1): LED311#7.1 LED312#5.3
Board_2-Net-(LED311-Pad6): LED311#7.6 LED312#5.4
Board_2-Net-(LED312-Pad1): LED312#5.1 LED313#8.3
Board_2-Net-(LED312-Pad6): LED312#5.6 LED313#8.4
Board_2-Net-(LED313-Pad1): LED313#8.1 LED314#4.3
Board_2-Net-(LED313-Pad6): LED313#8.6 LED314#4.4
Board_2-Net-(LED314-Pad1): LED314#4.1 LED315#7.3
Board_2-Net-(LED314-Pad6): LED314#4.6 LED315#7.4
Board_2-Net-(LED315-Pad1): LED315#7.1 LED316#3.3
Board_2-Net-(LED315-Pad6): LED315#7.6 LED316#3.4
Board_2-Net-(LED316-Pad1): LED316#3.1 LED317#4.3
Board_2-Net-(LED316-Pad6): LED316#3.6 LED317#4.4
Board_2-Net-(LED317-Pad1): LED317#4.1 LED318#6.3
Board_2-Net-(LED317-Pad6): LED317#4.6 LED318#6.4
Board_2-Net-(LED318-Pad1): LED318#6.1 LED319#2.3
Board_2-Net-(LED318-Pad6): LED318#6.6 LED319#2.4
Board_2-Net-(LED319-Pad1): LED319#2.1 LED320#7.3
Board_2-Net-(LED319-Pad6): LED319#2.6 LED320#7.4
Board_2-Net-(LED320-Pad1): LED320#7.1 LED321#4.3
Board_2-Net-(LED320-Pad6): LED320#7.6 LED321#4.4
Board_2-Net-(LED321-Pad1): LED321#4.1 LED322#6.3
Board_2-Net-(LED321-Pad6): LED321#4.6 LED322#6.4
Board_2-Net-(LED322-Pad1): LED322#6.1 LED323#8.3
Board_2-Net-(LED322-Pad6): LED322#6.6 LED323#8.4
Board_2-Net-(LED323-Pad1): LED323#8.1 LED324#9.3
Board_2-Net-(LED323-Pad6): LED323#8.6 LED324#9.4
Board_2-Net-(LED324-Pad1): LED324#9.1 R305#10.1
Board_2-Net-(LED324-Pad6): LED324#9.6 R304#10.1
Board_2-Net-(R201-Pad2): R201#3.2 U201#8.21
Board_2-Net-(R204-Pad1): R204#5.1 SW201#5.2
Board_2-Net-(R211-Pad1): R211.1 SW202#2.2
Board_2-Net-(U202-Pad4): U202#8.4 U202#8.7
Board_2-Net-(U202-Pad5): U202#8.5 U202#8.6
Board_2-SWCLK: J223.1 U201#8.24